# Altium PCB MB1261.PcbDoc (part 6 of 6)
Units mil, origin at the board's own origin, x right, y up, seen from the top; angles counter-clockwise.
Board outline 5119.1 x 2638.79 mil, 6 copper layers (TOP, L2_GND, L3_SIG, L4_VCC, L5_GND, BOTTOM), stack 61 mil thick; 336 components, 316 nets, 1358 pads, 871 vias.
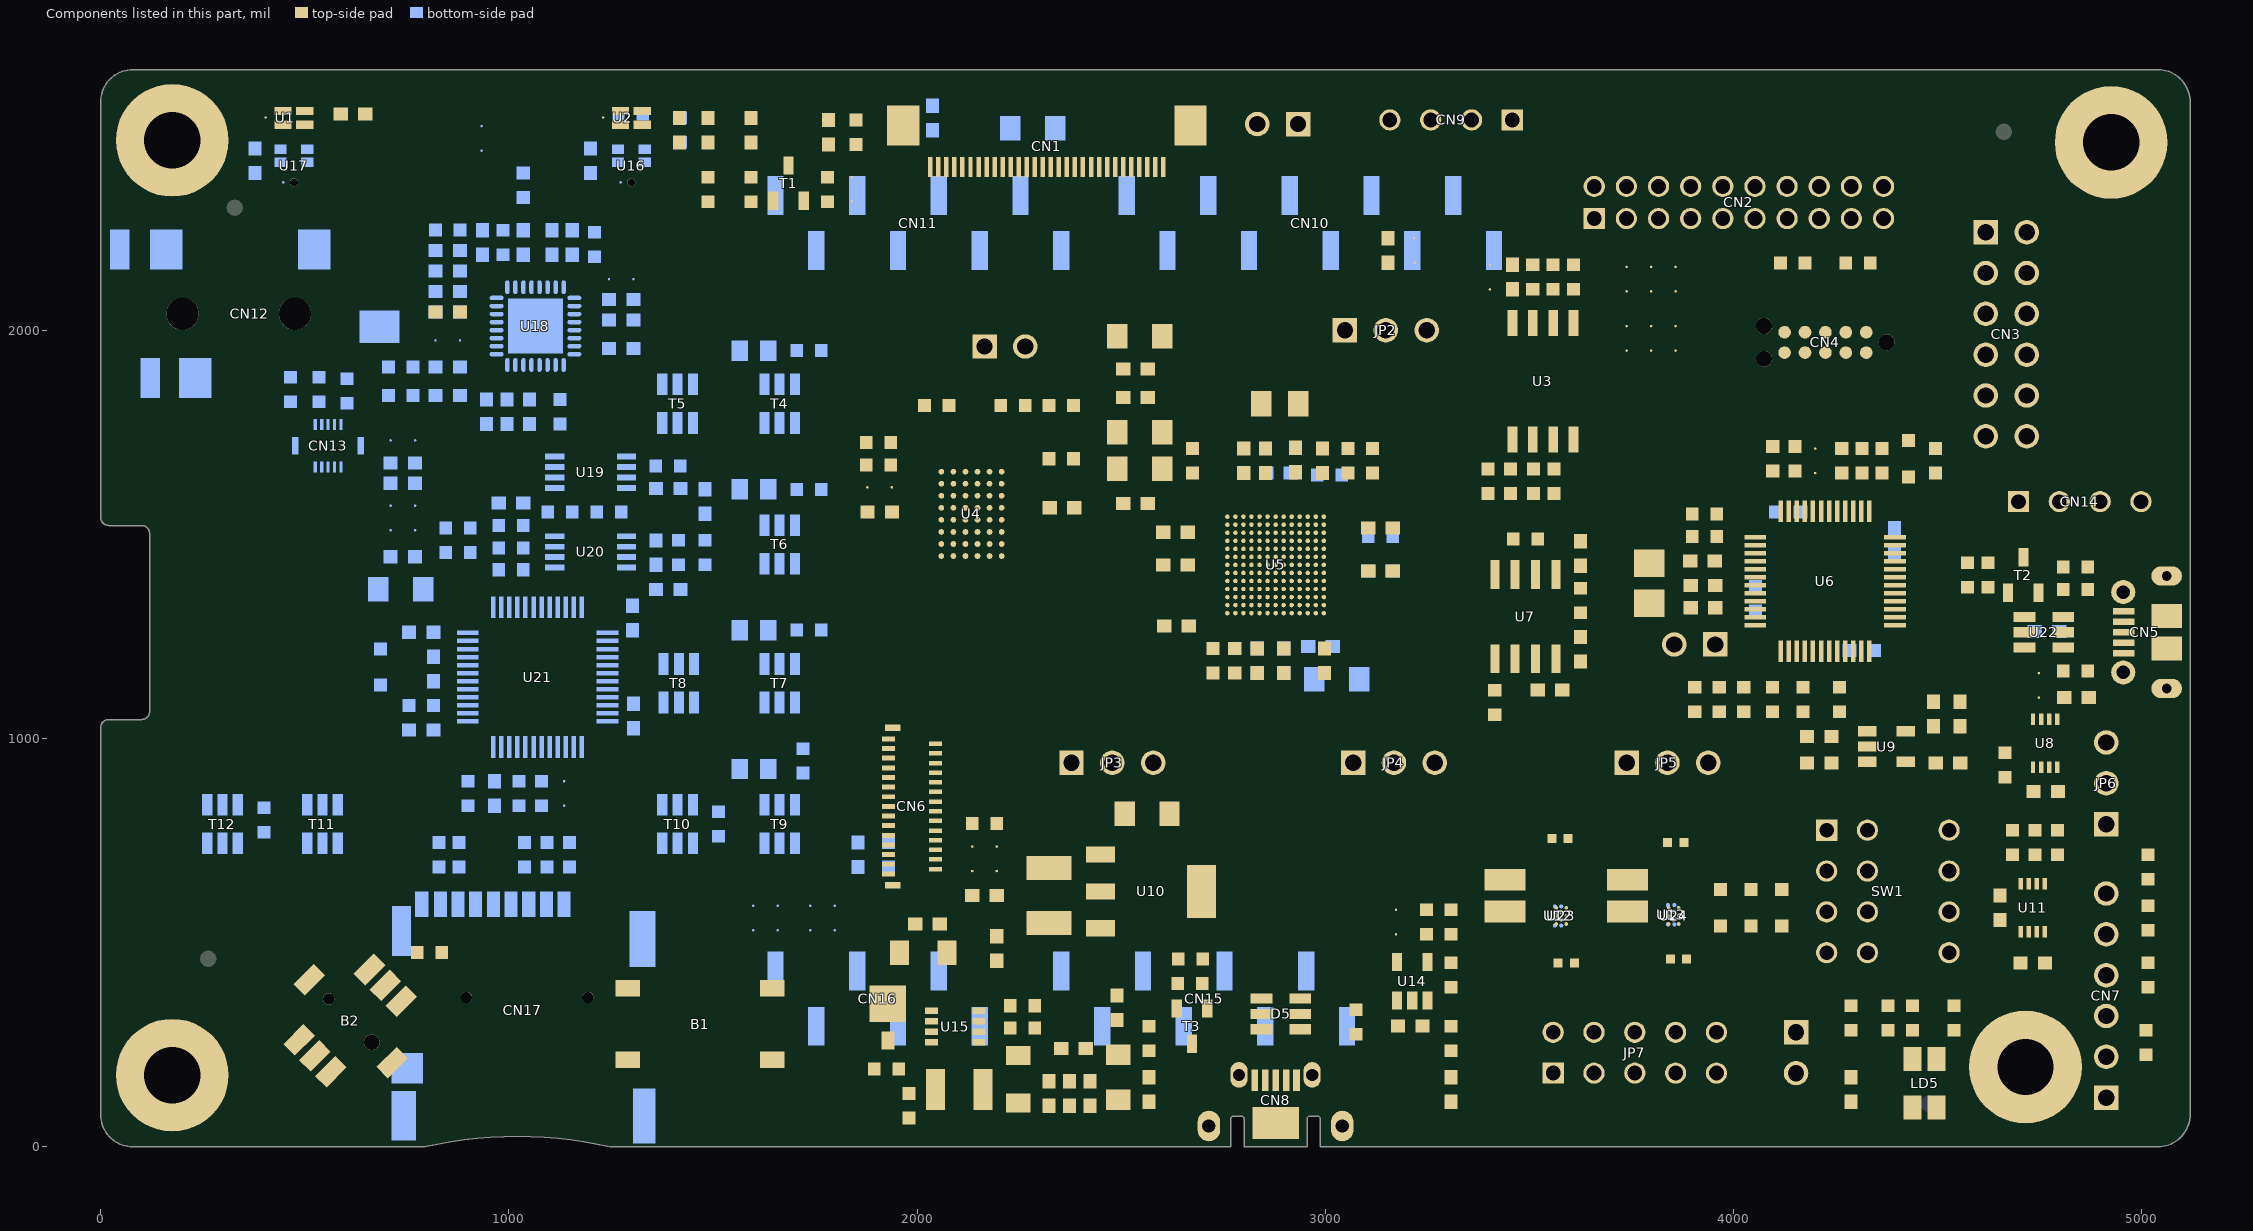
[diagram p10: the components of this part, seen from the top]

## Polygon pours and split planes (outlines as drawn) (continued)
AGND on L5_GND "L5_GND-AGND" (solid, pour order 219): 28 vertices, not listed, extent 20.04,1726 1169,2345
GND on L5_GND "L5_GND-GND" (solid, pour order 220): 686 vertices, not listed, extent 20.04,10.04 5098.06,2617.75
BLGND on L2_GND "L2_GND-BLGND" (solid, pour order 200): 24 vertices, not listed, extent 1835,20.04 2525,579
GND on L2_GND "L2_GND-GND" (solid, remove dead copper, pour order 201): 527 vertices, not listed, extent 20.04,10.04 5098.06,2617.75
no net on Top Solder (solid, pour order 249): 1378,83 1378,3 1948,3 1948,83 1378,83
no net on Top Solder (solid, pour order 250): 1378,164 1378,84 1948,84 1948,164 1378,164
no net on Drill Drawing (solid): 13399,5371 13599,5371 13549,5121 13449,5121 13399,5371
no net on Drill Drawing (solid): 13272,4324.43 13372,4324.43 13372,5079.57 13272,5079.57 13272,4324.43
no net on Drill Drawing (solid): 13041,5370 13241,5370 13171,4810 13121,4810 13041,5370
no net on Drill Drawing (solid): 13593,4026 13393,4026 13443,4276 13543,4276 13593,4026

## Keep-outs
TOP:
  circle w1: c328.1,2300 r60
  circle w1: c328.1,2300 r65
  circle w1: c4662.1,2486 r60
  circle w1: c4662.1,2486 r65
  circle w1: c263.1,460 r65
  circle w1: c263.1,460 r60
  circle w1: c328.1,2300 r60
  circle w1: c328.1,2300 r65
  circle w1: c4662.1,2486 r60
  circle w1: c4662.1,2486 r65
  circle w1: c263.1,460 r65
  circle w1: c263.1,460 r60
BOTTOM:
  circle w1: c4478.1,105 r65
  circle w1: c4478.1,105 r60
  circle w1: c4662.1,2486 r65
  circle w1: c4662.1,2486 r60
  circle w1: c263.1,460 r60
  circle w1: c263.1,460 r65
  circle w1: c4478.1,105 r65
  circle w1: c4478.1,105 r60
  circle w1: c4662.1,2486 r65
  circle w1: c4662.1,2486 r60
  circle w1: c263.1,460 r60
  circle w1: c263.1,460 r65
Drill Drawing:
  lines w1: 0,78.74 ccw(c78.74,78.74) 78.74,0 ; 0,1025.71 cw(c20,1025.71) 20,1045.71 ; 0,1541.93 ccw(c20,1541.93) 20,1521.93 ; 0,2559.05 cw(c78.74,2559.05) 78.74,2637.79 ; 100,1045.71 ccw(c100,1065.71) 120,1065.71 ; 100,1521.93 cw(c100,1501.93) 120,1501.93 ; 793.1,0 cw(c1020.6,-1007.5) 1248.1,0 ; 5039.36,0 ccw(c5039.36,78.74) 5118.1,78.74 ; 5039.36,2637.79 cw(c5039.36,2559.05) 5118.1,2559.05

## Other copper
TOP:
  region net BLGND: 2124.6,254.63 2124.6,333.37 2113.77,333.37 2113.77,368.8 2098.02,368.8 2098.02,333.37 2088.18,333.37 2088.18,368.8 2072.43,368.8 2072.43,333.37 2061.6,333.37 2061.6,254.63 2072.43,254.63 2072.43,219.2 2088.18,219.2 2088.18,254.63 2098.02,254.63 2098.02,219.2 2113.77,219.2 2113.77,254.63 2124.6,254.63
  text "1" at 1474,106 h35
  text "B" at 1498,29 h35
  text "1" at 2685,-1790 h75
  text "1" at 2685,-1790 h75
  text "PRIMARY SIDE" at 2185,-1940 h60
  text "PRIMARY SIDE" at 2185,-1940 h60
BOTTOM:
  text "6" at 1848,107 h35
  text "6" at 1848,107 h35
  text "B" at 1848,26 h35
  text "B" at 1848,26 h35
  text "6" at 2635,-1790 h75
  text "6" at 2635,-1790 h75
  text "SECONDARY SIDE" at 2185,-1940 h60
  text "SECONDARY SIDE" at 2185,-1940 h60
Multi-Layer:
  pour cut-out: 1378,164 1948,164 1948,3 1378,3

## Silkscreen, mask and mechanical layers (free items; w line width, h text height)
Top Overlay:
  drawing of 5630 lines, arcs and shapes, not listed
  text "STMod+" at 3580,2410 h35 r90
  text "PMOD" at 4610,2340 h35
  text "Camera" at 2095,2305 h35
  text "www.st.com/stm32l4-discovery" at 408,2303 h40
  text "STM32L496G-DISCO" at 423,2162 h80
  text "MB1261B" at 1033.3,2084.3 h50
  text "IDD" at 2975,1900 h35
  text "VDD" at 3215,1900 h35
  text "TAG" at 3960,1855 h35 r90
  text "USB" at 4898.9,1493 h35
  text "STLINK" at 4895,1445 h35
  text "LCD" at 1919.59,1128.45 h35
  text "ARD_5V_OUT" at 2380,995 h35 r90
  text "ARD_5V_IN" at 2560,995 h35 r90
  text "VDD_SWD" at 5105,875 h35 r90
  text "+3V3" at 3645,845 h35
  text "+1V8" at 3885,840 h35
  text "+3V3" at 2985,835 h35
  text "VDD_MCU" at 3235,835 h35
  text "VDD_MCU" at 5105,635 h35 r90
  text "U" at 690,470 h50
  text "L" at 342,283 h50
  text "R" at 843,282 h50
  text "OTG FS" at 3049.1,133.9 h35
  text "D" at 480,115 h50
  text "S" at 1402,107 h35
  text "S" at 1402,107 h35
  text "COM" at 4380,80 h35 r90
  text "RESET" at 1133,49 h50
  text "JOYSTICK" at 390,45 h50
  text "B" at 1402,26 h35
  text "B" at 1402,26 h35
  text "SWD" at 5040,25 h35 r90
  text "E5V" at 3680,15 h35 r90
  text "U5V" at 3790,15 h35 r90
  text "ARD" at 3880,15 h35 r90
  text "STLK" at 3590,0 h35 r90
  text "CHGR" at 3980,0 h35 r90
  text "SILKSCREEN, (PRIMARY)" at 2185,-1940 h60
  text "SILKSCREEN, (PRIMARY)" at 2185,-1940 h60
Bottom Overlay:
  drawing of 467 lines, arcs and shapes, not listed
  text "D12" at 2855,2405 h35 r225
  text "GND" at 3045,2395 h35 r225
  text "D14" at 3250,2395 h35 r225
  text "D0" at 1635,2385 h35 r270
  text "D1" at 1735,2385 h35 r270
  text "D2" at 1835,2385 h35 r270
  text "D4" at 2035,2385 h35 r270
  text "D5" at 2130,2385 h35 r270
  text "D6" at 2235,2385 h35 r270
  text "D7" at 2340,2385 h35 r270
  text "D8" at 2495,2385 h35 r270
  text "D9" at 2595,2385 h35 r270
  text "D10" at 2695,2385 h35 r270
  text "D11" at 2800,2385 h35 r270
  text "D13" at 2985,2385 h35 r270
  text "D3" at 1944,2383 h35 r270
  text "D15" at 3390,2370 h35 r270
  text "AVDD" at 3190,2330 h35 r270
  text "Rev.B" at 3781,1925 h40 r270
  text "Audio Jack" at 340,1745 h35
  text "CTP" at 428.1,1615 h35
  text "MB1261" at 3776,1590 h50 r270
  text "GND" at 4830,1460 h35 r225
  text "+3V3" at 4588,1430 h35 r225
  text "SWDIO" at 4895,1415 h35 r225
  text "SWCLK" at 4680,1410 h35 r225
  text "SWO" at 5070,606 h35
  text "NRST" at 5097,499 h35
  text "SWDIO" at 5117,394 h35
  text "GND" at 5069,303 h35
  text "SWCLK" at 5120,198 h35
  text "5V" at 2635,180 h35 r270
  text "A5" at 1635,175 h35 r270
  text "A4" at 1730,175 h35 r270
  text "A3" at 1830,175 h35 r270
  text "A2" at 1935,175 h35 r270
  text "A1" at 2035,175 h35 r270
  text "A0" at 2130,175 h35 r270
  text "GND" at 2435,145 h35 r270
  text "GND" at 2535,145 h35 r270
  text "VIN" at 2330,140 h35 r270
  text "3V3" at 2720,140 h35 r270
  text "NRST" at 2843,120 h35 r270
  text "B" at 1919,106 h35
  text "B" at 1919,106 h35
  text "VDD" at 5070,98 h35
  text "IOREF" at 2900,90 h35 r270
  text "uSD" at 1400,36.9 h35 r270
  text "B" at 1919,25 h35
  text "B" at 1919,25 h35
  text "E5V" at 3645,15 h35 r270
  text "U5V" at 3752,15 h35 r270
  text "ARD" at 3845,15 h35 r270
  text "STLK" at 3555,0 h35 r270
  text "CHGR" at 3945,0 h35 r270
  text "SILKSCREEN, (SECONDARY)" at 3292,-1944 h60
  text "SILKSCREEN, (SECONDARY)" at 3292,-1944 h60
Top Paste:
  pour cut-out: 2124.6,254.63 2124.6,333.37 2113.77,333.37 2113.77,368.8 2098.02,368.8 2098.02,333.37 2088.18,333.37 2088.18,368.8 2072.43,368.8 2072.43,333.37 2061.6,333.37 2061.6,254.63 2072.43,254.63 2072.43,219.2 2088.18,219.2 2088.18,254.63 2098.02,254.63 2098.02,219.2 2113.77,219.2 2113.77,254.63 2124.6,254.63
  text "SOLDER PASTE (PRIMARY)" at 2185,-1940 h60
  text "SOLDER PASTE (PRIMARY)" at 2185,-1940 h60
Bottom Paste:
  text "SOLDER PASTE (SECONDARY)" at 2185,-1940 h60
  text "SOLDER PASTE (SECONDARY)" at 2185,-1940 h60
Top Solder:
  region: 1378,164 1948,164 1948,3 1378,3
  text "SOLDER MASK (PRIMARY)" at 2185,-1940 h60
  text "SOLDER MASK (PRIMARY)" at 2185,-1940 h60
Bottom Solder:
  text "SOLDER MASK (SECONDARY)" at 2185,-1940 h60
  text "SOLDER MASK (SECONDARY)" at 2185,-1940 h60
Mechanical 1:
  lines w1: 533.63,1615 582.03,1615 582.03,1671.2 533.63,1671.2 533.63,1615 ; 2005,1390 2260,1390 2260,1710 2005,1710 2005,1390 ; 2617.1,1305.4 2647.5,1275 2735,1275 2809.4,1275 2814.5,1269.9 2814.5,1223.8 2829.8,1208.5 2965.4,1208.5 2984,1227.1 2984,1269 2990,1275 3030,1275 3030,1320.1 3035.1,1325.2 3126.3,1325.2 3132,1330.9 3132,1512.7 3095.4,1549.3 3030,1549.3 3030,1570 2972,1570 2969.1,1572.9 2969.1,1593.3 2955.5,1606.9 2790.2,1606.9 2778.1,1594.8 2778.1,1570 2735,1570 2730,1565 2730,1525.9 2718.3,1514.2 2659.7,1514.2 2617.1,1471.6 2617.1,1305.4 ; 3525,530 3604.3,530 3604.3,594.3 3570,594.3 3554.3,610 3530,610 3525,605 3525,530 ; 3780,565 3809.7,535.3 3826.2,535.3 3878,535.3 3878,605 3820,605 3805,620 3790,620 3780,610 3780,565 ; 4384,1384 4444,1384 4444,1474 4384,1474 4384,1384 ; 4918.63,1185 4967.03,1185 4967.03,1241.2 4918.63,1241.2 4918.63,1185
LCD_MB1166:
  drawing of 462 lines, arcs and shapes, not listed
  text "10" at 1403.1,520.98 h25 r180
  text "20" at 1498.1,520.98 h25 r180
  text "30" at 1598.1,520.98 h25 r180
  text "40" at 1698.1,520.98 h25 r180
  text "50" at 1798.1,520.98 h25 r180
  text "60" at 1893.1,520.98 h25 r180
  text "2" at 1333.1,510.98 h25 r180
  text "25" at 851.46,279.35 h35 r180
  text "1" at 1070.46,274.35 h35 r180
  text "59" at 1898.1,115.98 h25 r180
  text "6" at 4142.29,-179.02 h35 r180
  text "1" at 4237.29,-179.02 h35 r180
DXF_MB1183:
  drawing of 442 lines, arcs and shapes, not listed
LAY4:
  lines w8: 1668,13 1728,13 ; 1668,13 1668,73 ; 1668,13 1728,13 ; 1668,13 1668,73 ; 1668,73 1678,73 ; 1668,73 1678,73 ; 1668,94 1728,94 ; 1668,94 1668,154 ; 1668,94 1728,94 ; 1668,94 1668,154 ; 1668,154 1678,154 ; 1668,154 1678,154 ; 1678,73 1728,73 ; 1678,73 1728,73 ; 1678,154 1728,154 ; 1678,154 1728,154 ; 1728,13 1728,73 ; 1728,13 1728,73 ; 1728,94 1728,154 ; 1728,94 1728,154
  text "4" at 1710,105 h35
  text "B" at 1684,25 h35
  text "B" at 1684,25 h35
  text "4" at 2685,-1790 h75
  text "4" at 2685,-1790 h75
  text "LAYER 4 (INTERNAL SIGNAL)" at 2185,-1940 h60
  text "LAYER 4 (INTERNAL SIGNAL)" at 2185,-1940 h60
DRAWING_ORIGIN:
  lines w1: -25,0 25,0 ; 0,-25 0,25
DIMENSION:
  drawing of 453 lines, arcs and shapes, not listed
  text "4.9mm" at 4387.92,3017.58 h85
  text "4.9mm" at 4387.92,3017.58 h85
  text "4.39mm" at -637.33,2977.85 h85
  text "4.39mm" at -637.33,2977.85 h85
  text "4.52mm" at 5199.05,2847.1 h85
  text "4.52mm" at 5199.05,2847.1 h85
  text "43.31mm" at 3931.75,2788.14 h85
  text "43.31mm" at 3931.75,2788.14 h85
  text "4.45mm" at 486.27,2750.89 h85
  text "4.45mm" at 486.27,2750.89 h85
  text "4.06mm" at 2807.92,2749.64 h85
  text "4.06mm" at 2807.92,2749.64 h85
  text "4XR2mm" at 5495.91,2671.07 h85
  text "4XR2mm" at 5495.91,2671.07 h85
  text "12.1mm" at -467.82,1246.88 h85
  text "12.1mm" at -467.82,1246.88 h85
  text "48.26mm" at 5226.57,1246.87 h85
  text "48.26mm" at 5226.57,1246.87 h85
  text "57.53mm" at 5848.2,1240.11 h85
  text "57.53mm" at 5848.2,1240.11 h85
  text "67mm" at -939.38,1205.63 h85 r90
  text "67mm" at -939.38,1205.63 h85 r90
  text "58.1mm" at -623.18,1143.76 h85 r90
  text "58.1mm" at -623.18,1143.76 h85 r90
  text "4.45mm" at -476.1,382.1 h85
  text "4.45mm" at -476.1,382.1 h85
  text "4.95mm" at 5655.47,38.21 h85
  text "4.95mm" at 5655.47,38.21 h85
  text "5.08mm" at 1377.14,-116.93 h85
  text "5.08mm" at 1377.14,-116.93 h85
  text "52.45mm" at 3802.28,-144.43 h85
  text "52.45mm" at 3802.28,-144.43 h85
  text "4.45mm" at -624.57,-248.21 h85
  text "4.45mm" at -624.57,-248.21 h85
  text "115.82mm" at 2341.72,-272.16 h85
  text "115.82mm" at 2341.72,-272.16 h85
  text "9.73mm" at 5373.28,-272.16 h85
  text "9.73mm" at 5373.28,-272.16 h85
  text "130mm" at 2472.23,-414.6 h85
  text "130mm" at 2472.23,-414.6 h85
  text "FAB DARWING & DRILL LEGEND" at 2185,-1940 h60
  text "FAB DARWING & DRILL LEGEND" at 2185,-1940 h60
LAY5:
  lines w8: 1738,13 1798,13 ; 1738,13 1738,73 ; 1738,13 1798,13 ; 1738,13 1738,73 ; 1738,73 1748,73 ; 1738,73 1748,73 ; 1738,94 1798,94 ; 1738,94 1738,154 ; 1738,94 1798,94 ; 1738,94 1738,154 ; 1738,154 1748,154 ; 1738,154 1748,154 ; 1748,73 1798,73 ; 1748,73 1798,73 ; 1748,154 1798,154 ; 1748,154 1798,154 ; 1798,13 1798,73 ; 1798,13 1798,73 ; 1798,94 1798,154 ; 1798,94 1798,154
  text "5" at 1778,107 h35
  text "5" at 1778,107 h35
  text "B" at 1778,26 h35
  text "B" at 1778,26 h35
  text "5" at 2685,-1790 h75
  text "5" at 2685,-1790 h75
  text "LAYER 5 (GND PLANE)" at 2185,-1940 h60
  text "LAYER 5 (GND PLANE)" at 2185,-1940 h60
LAY3:
  lines w8: 1598,13 1658,13 ; 1598,13 1598,73 ; 1598,13 1658,13 ; 1598,13 1598,73 ; 1598,73 1608,73 ; 1598,73 1608,73 ; 1598,94 1658,94 ; 1598,94 1598,154 ; 1598,94 1658,94 ; 1598,94 1598,154 ; 1598,154 1608,154 ; 1598,154 1608,154 ; 1608,73 1658,73 ; 1608,73 1658,73 ; 1608,154 1658,154 ; 1608,154 1658,154 ; 1658,13 1658,73 ; 1658,13 1658,73 ; 1658,94 1658,154 ; 1658,94 1658,154
  text "3" at 1612,105 h35
  text "3" at 1612,105 h35
  text "B" at 1612,24 h35
  text "B" at 1612,24 h35
  text "3" at 2685,-1790 h75
  text "3" at 2685,-1790 h75
  text "LAYER 3 (VTT PLANE)" at 2185,-1940 h60
  text "LAYER 3 (VTT PLANE)" at 2185,-1940 h60
Drill Drawing:
  drawing of 25598 lines, arcs and shapes, not listed
  text "6" at -1460,10960 h130
  text "5" at 2040,10960 h130
  text "4" at 5540,10960 h130
  text "3" at 9040,10960 h130
  text "2" at 12540,10960 h130
  text "1" at 16040,10960 h130
  text "REVISIONS" at 15140,10710 h85
  text "REV" at 13690,10460 h75
  text "DESCRIPTION" at 14240,10460 h75
  text "DATE" at 16390,10460 h75
  text "APPROVED" at 17090,10460 h75
  text "1.0" at 13690,10260 h75
  text "EDITION ORIGINALE" at 14240,10260 h75
  text "2008-**-**" at 16240,10260 h75
  text "***" at 17250,10260 h75
  text "D" at -3460,8660 h130
  text "D" at 17840,8660 h130
  text "5" at 11880,7908 h100
  text "IMPEDANCE TABLE" at 12110.81,7881.53 h100
  text "LAYER" at 12035.81,7587.53 h75
  text "TOLERANCE" at 15785.81,7587.53 h75
  text "TRACE" at 12785.81,7577.53 h75
  text "SPACEING" at 13335.81,7577.53 h75
  text "IMPEDANCE" at 14085.81,7577.53 h75
  text "IMPEDANCE" at 14985.81,7577.53 h75
  text "(mil)" at 12835.81,7487.53 h50
  text "(Single end)" at 14135.81,7487.53 h50
  text "(mil)" at 13435.81,7477.53 h50
  text "(Differential)" at 14985.81,7477.53 h50
  text "1,6" at 12030.81,7341.53 h75
  text "5.0" at 12830.81,7331.53 h75
  text "N/A" at 13485.81,7277.53 h75
  text "55 OHM" at 14135.81,7267.53 h75
  text "N/A" at 15135.81,7267.53 h75
  text "+/-10%" at 15885.81,7267.53 h75
  text "4.0" at 12820.81,7211.53 h75
  text "4" at 12030.81,7201.53 h75
  text "N/A" at 14240.81,7031.53 h75
  text "1,6" at 11998.81,7029.53 h75
  text "10.2" at 13434.81,7029.53 h75
  text "90 OHM" at 15052.81,7029.53 h75
  text "+/-10%" at 15885.81,7017.53 h75
  text "4.8" at 12828.81,7015.53 h75
  text "100 OHM" at 15027.81,6773.53 h75
  text "+/-10%" at 15891.81,6773.53 h75
  text "N/A" at 14245.81,6752.53 h75
  text "Symbol" at 110.54,6751.43 h118.11
  text "Hit Count" at 573.2,6751.43 h118.11
  text "Finished Hole Size" at 1126.69,6751.43 h118.11
  text "Plated" at 2117.6,6751.43 h118.11
  text "Tolerance" at 2523.76,6751.43 h118.11
  text "Hole Type" at 3109.38,6751.43 h118.11
  text "Hole Length" at 3700.69,6751.43 h118.11
  text "Rotation" at 4377.36,6751.43 h118.11
  text "Drill Layer Pair" at 4877.84,6751.43 h118.11
  text "2" at 767.89,6547.59 h98.43
  text "24,00mil" at 1398.79,6547.59 h98.43
  text "PTH" at 2178.4,6547.59 h98.43
  text "+5.0/-5.0" at 2584.74,6547.59 h98.43
  text "Slot" at 3270.37,6547.59 h98.43
  text "51,00mil" at 3816.22,6547.59 h98.43
  text "0" at 4545.86,6547.59 h98.43
  text "TOP - BOTTOM" at 4877.84,6547.59 h98.43
  text "2" at 767.89,6343.75 h98.43
  text "30,00mil" at 1399.39,6343.75 h98.43
  text "PTH" at 2178.4,6343.75 h98.43
  text "+5.0/-5.0" at 2584.74,6343.75 h98.43
  text "Slot" at 3270.37,6343.75 h98.43
  text "33,00mil" at 3816.26,6343.75 h98.43
  text "90" at 4521.35,6343.75 h98.43
  text "TOP - BOTTOM" at 4877.84,6343.75 h98.43
  text "2" at 767.89,6139.92 h98.43
  text "33,00mil" at 1399.39,6139.92 h98.43
  text "PTH" at 2178.4,6139.92 h98.43
  text "+5.0/-5.0" at 2584.74,6139.92 h98.43
  text "Slot" at 3270.37,6139.92 h98.43
  text "59,00mil" at 3816.22,6139.92 h98.43
  text "90" at 4521.35,6139.92 h98.43
  text "TOP - BOTTOM" at 4877.84,6139.92 h98.43
  text "Symbol" at 6723.7,5971.75 h118.11
  text "Hit Count" at 7186.36,5971.75 h118.11
  text "Finished Hole Size" at 7739.85,5971.75 h118.11
  text "Plated" at 8730.76,5971.75 h118.11
  text "Tolerance" at 9136.92,5971.75 h118.11
  text "Hole Type" at 9722.54,5971.75 h118.11
  text "Rotation" at 10313.85,5971.75 h118.11
  text "Drill Layer Pair" at 10814.33,5971.75 h118.11
  text "43" at 742.29,5936.08 h98.43
  text "8,00mil" at 1423.8,5936.08 h98.43
  text "PTH" at 2178.4,5936.08 h98.43
  text "+3.0/-3.0" at 2584.74,5936.08 h98.43
  text "Round" at 3220.76,5936.08 h98.43
  text "-" at 3965.89,5936.08 h98.43
  text "TOP - BOTTOM" at 4877.84,5936.08 h98.43
  text "63" at 7356.59,5767.92 h98.43
  text "4,00mil" at 8035.68,5767.92 h98.43
  text "PTH" at 8791.56,5767.92 h98.43
  text "+3.0/-3.0" at 9197.9,5767.92 h98.43
  text "Round" at 9833.92,5767.92 h98.43
  text "TOP - L3_SIG" at 10882.23,5767.92 h98.43
  text "317" at 719.15,5732.25 h98.43
  text "10,00mil" at 1402.3,5732.25 h98.43
  text "PTH" at 2178.4,5732.25 h98.43
  text "+3.0/-3.0" at 2584.74,5732.25 h98.43
  text "Round" at 3220.76,5732.25 h98.43
  text "-" at 3965.89,5732.25 h98.43
  text "TOP - BOTTOM" at 4877.84,5732.25 h98.43
  text "4" at 12782.38,5634.07 h75
  text "LAYER STACK-UP" at 12982.38,5634.07 h75
  text "63 Total" at 7247.45,5564.08 h98.43
  text "289" at 718.51,5528.41 h98.43
  text "12,00mil" at 1402.3,5528.41 h98.43
  text "PTH" at 2178.4,5528.41 h98.43
  text "+3.0/-3.0" at 2584.74,5528.41 h98.43
  text "Round" at 3220.76,5528.41 h98.43
  text "-" at 3965.89,5528.41 h98.43
  text "TOP - BOTTOM" at 4877.84,5528.41 h98.43
  text "SOLDERMASK & SILKSCREEN" at 14732.38,5504.07 h60
  text "Symbol" at 6735.55,5400.75 h118.11
  text "Hit Count" at 7198.21,5400.75 h118.11
  text "Finished Hole Size" at 7751.7,5400.75 h118.11
  text "Plated" at 8742.61,5400.75 h118.11
  text "Tolerance" at 9148.76,5400.75 h118.11
  text "Hole Type" at 9734.38,5400.75 h118.11
  text "Rotation" at 10325.69,5400.75 h118.11
  text "Drill Layer Pair" at 10826.17,5400.75 h118.11
  text "TOP     (1/3 oz cu+plating)" at 14722.38,5384.07 h60
  text "2" at 767.89,5324.57 h98.43
  text "20,00mil" at 1398.79,5324.57 h98.43
  text "PTH" at 2178.4,5324.57 h98.43
  text "+3.0/-3.0" at 2584.74,5324.57 h98.43
  text "Round" at 3220.76,5324.57 h98.43
  text "-" at 3965.89,5324.57 h98.43
  text "TOP - BOTTOM" at 4877.84,5324.57 h98.43
  text "PREPREG  2.8 mil" at 13622.38,5209.07 h60
  text "52" at 7368.94,5196.92 h98.43
  text "8,00mil" at 8048.8,5196.92 h98.43
  text "PTH" at 8803.41,5196.92 h98.43
  text "+3.0/-3.0" at 9209.75,5196.92 h98.43
  text "Round" at 9845.77,5196.92 h98.43
  text "L2_GND - L5_GND" at 10826.17,5196.92 h98.43
  text "2" at 767.89,5120.74 h98.43
  text "33,00mil" at 1399.39,5120.74 h98.43
  text "PTH" at 2178.4,5120.74 h98.43
  text "+3.0/-3.0" at 2584.74,5120.74 h98.43
  text "Round" at 3220.76,5120.74 h98.43
  text "-" at 3965.89,5120.74 h98.43
  text "TOP - BOTTOM" at 4877.84,5120.74 h98.43
  text "LAYER 2 ( 1/3 oz cu+plating)" at 14722.38,5084.07 h60
  text "52 Total" at 7259.48,4993.08 h98.43
  text "50" at 743.7,4916.9 h98.43
  text "36,00mil" at 1399.39,4916.9 h98.43
  text "PTH" at 2178.4,4916.9 h98.43
  text "+3.0/-3.0" at 2584.74,4916.9 h98.43
  text "Round" at 3220.76,4916.9 h98.43
  text "-" at 3965.89,4916.9 h98.43
  text "TOP - BOTTOM" at 4877.84,4916.9 h98.43
  text "PREPREG  4.0 mil" at 13622.38,4909.07 h60
  text "PREPREG  4.0 mil" at 13622.38,4909.07 h60
  text "Symbol" at 6746.48,4816.75 h118.11
  text "Hit Count" at 7209.14,4816.75 h118.11
  text "Finished Hole Size" at 7762.63,4816.75 h118.11
  text "Plated" at 8753.54,4816.75 h118.11
  text "Tolerance" at 9159.69,4816.75 h118.11
  text "Hole Type" at 9745.32,4816.75 h118.11
  text "Rotation" at 10336.63,4816.75 h118.11
  text "Drill Layer Pair" at 10837.1,4816.75 h118.11
  text "LAYER 3 (0.5 oz)" at 14722.38,4784.07 h60
  text "C" at -3460,4760 h130
  text "C" at 17840,4760 h130
  text "1.2 mm" at 12550.38,4751.57 h75
  text "41" at 748.39,4713.07 h98.43
  text "40,00mil" at 1398.02,4713.07 h98.43
  text "PTH" at 2178.4,4713.07 h98.43
  text "+3.0/-3.0" at 2584.74,4713.07 h98.43
  text "Round" at 3220.76,4713.07 h98.43
  text "-" at 3965.89,4713.07 h98.43
  text "TOP - BOTTOM" at 4877.84,4713.07 h98.43
  text "CORE     **.*mil" at 13622.38,4674.07 h60
  text "+/-10%" at 12592.38,4644.07 h50
  text "31" at 7385.7,4612.92 h98.43
  text "4,00mil" at 8058.46,4612.92 h98.43
  text "PTH" at 8814.34,4612.92 h98.43
  text "+3.0/-3.0" at 9220.68,4612.92 h98.43
  text "Round" at 9856.7,4612.92 h98.43
  text "L5_GND - BOTTOM" at 10837.1,4612.92 h98.43
  text "LAYER 4 (0.5 oz)" at 14722.38,4584.07 h60
  text "4" at 766.93,4509.23 h98.43
  text "138,00mil" at 1377.79,4509.23 h98.43
  text "PTH" at 2178.4,4509.23 h98.43
  text "+3.0/-3.0" at 2584.74,4509.23 h98.43
  text "Round" at 3220.76,4509.23 h98.43
  text "-" at 3965.89,4509.23 h98.43
  text "TOP - BOTTOM" at 4877.84,4509.23 h98.43
  text "31 Total" at 7270.46,4409.08 h98.43
  text "PREPREG  4.0 mil" at 13622.38,4409.07 h60
  text "3" at 768.16,4305.39 h98.43
  text "28,00mil" at 1398.79,4305.39 h98.43
  text "NPTH" at 2146.56,4305.39 h98.43
  text "+2.0/-2.0" at 2584.74,4305.39 h98.43
  text "Round" at 3220.76,4305.39 h98.43
  text "-" at 3965.89,4305.39 h98.43
  text "TOP - BOTTOM" at 4877.84,4305.39 h98.43
  text "LAYER 5 ( 1/3 oz cu+plating)" at 14722.38,4284.07 h60
  text "Symbol" at 6736.7,4228.68 h118.11
  text "Hit Count" at 7199.36,4228.68 h118.11
  text "Finished Hole Size" at 7752.85,4228.68 h118.11
  text "Plated" at 8743.76,4228.68 h118.11
  text "Tolerance" at 9149.92,4228.68 h118.11
  text "Hole Type" at 9735.54,4228.68 h118.11
  text "Rotation" at 10326.85,4228.68 h118.11
  text "Drill Layer Pair" at 10827.33,4228.68 h118.11
  text "PREPREG  2.8 mil" at 13622.38,4109.07 h60
  text "4" at 766.93,4101.56 h98.43
  text "39,00mil" at 1399.39,4101.56 h98.43
  text "NPTH" at 2146.56,4101.56 h98.43
  text "+2.0/-2.0" at 2584.74,4101.56 h98.43
  text "Round" at 3220.76,4101.56 h98.43
  text "-" at 3965.89,4101.56 h98.43
  text "TOP - BOTTOM" at 4877.84,4101.56 h98.43
  text "76" at 7370.04,4024.85 h98.43
  text "4,00mil" at 8048.68,4024.85 h98.43
  text "PTH" at 8804.56,4024.85 h98.43
  text "+3.0/-3.0" at 9210.9,4024.85 h98.43
  text "Round" at 9846.92,4024.85 h98.43
  text "TOP - L2_GND" at 10872.87,4024.85 h98.43
  text "BOTTOM  (1/3 oz cu+plating)" at 14722.38,3984.07 h60
  text "2" at 767.89,3897.72 h98.43
  text "79,00mil" at 1399.61,3897.72 h98.43
  text "NPTH" at 2146.56,3897.72 h98.43
  text "+2.0/-2.0" at 2584.74,3897.72 h98.43
  text "Round" at 3220.76,3897.72 h98.43
  text "-" at 3965.89,3897.72 h98.43
  text "TOP - BOTTOM" at 4877.84,3897.72 h98.43
  text "SOLDERMASK & SILKSCREEN" at 14722.38,3854.07 h60
  text "76 Total" at 7260.91,3821.01 h98.43
  text "763 Total" at 610.24,3693.89 h98.43
  text "6 LAYER STACKING" at 13362.38,3674.07 h75
  text "Slot definitions :" at 110.54,3551.2 h98.43
  text "Routed Path Length" at 782.24,3551.2 h98.43
  text "= Calculated from tool start centre position to tool end centre position." at 1614.37,3551.2 h98.43
  text "HDI 1+4+1" at 13582.38,3494.07 h75
  text "Hole Length" at 782.24,3469.67 h98.43
  text "= Routed Path Length + Tool Size = Slot length as defined in the PCB layout" at 1305.45,3469.67 h98.43
  text "PCB SPECIFICATIONS:" at 11656,2676 h85
  text "A. MATERIAL;" at 11656,2476 h85
  text "FR-4," at 13406,2476 h85
  text "TG-170" at 14356,2476 h85
  text "TG-150" at 15106,2476 h85
  text "TG-140" at 15956,2476 h85
  text "B. MATERIAL FAMILY;" at 11656,2276 h85
  text "N/A." at 13406,2276 h85
  text "C. SOLDERMASK COLOR;" at 11656,2076 h85
  text "GREEN" at 13556,2076 h85
  text "BLUE" at 14306,2076 h85
  text "RED" at 15156,2076 h85
  text "BLACK" at 16006,2076 h85
  text "D. SILKSCREEN COLOR;" at 11656,1876 h85
  text "WHITE" at 13556,1876 h85
  text "YELLOW" at 14306,1876 h85
  text "BLACK" at 15156,1876 h85
  text "E. SURFACE FINISH;" at 11656,1676 h85
  text "ENIG" at 13556,1676 h85
  text "IMMERSION SILVER" at 14306,1676 h85
  text "IMMERSION TIN" at 16006,1676 h85
  text "HASL" at 13556,1476 h85
  text "HASL(PB-FREE)" at 14306,1476 h85
  text "GOLDEN FINGER" at 16006,1476 h85
  text "NO" at 13556,1276 h85
  text "YES" at 14306,1276 h85
  text "(SEE IMPEDANCE TABLE FOR DETAIL INFORMATION)" at 14506,1276 h85
  text "F. IMPEDANCE CONTROL;" at 11745,1269 h85
  text "G. THROUGH VIA;" at 11656,1076 h85
  text "PLUG THE VIAS WHICH ARE COVERED WITH SOLDERMASK ONE OR TWO SIDE." at 13106,1076 h85
  text "B" at 17840,1060 h130
  text "B" at -3460,1047 h130
  text "PLUG MATERIAL:" at 13106,876 h85
  text "SOLDERMASK" at 14706,876 h85
  text "NON-CONDUCTIVE EPOXY." at 16006,876 h85
  text "SEE LAYER STACK-UP SEQUENCE FOR OVERALL THICKNESS." at 13106,676 h85
  text "H. STACK-UP;" at 11749,656 h85
  text "PCB REQUIREMENTS:" at 11646,376 h85
  text "1. THIS BOARD WILL CONFORM TO:" at 11596,176 h85
  text "IPC-A-600. CURRENT REV., CLASS II" at 11596,26 h85
  text "IPC-6012, CURRENT REV., CLASS II" at 11596,-124 h85
  text "2. UNLESS OTHERWISE SPECIFIED ALL HOLE DIMENSIONS APPLY AFTER PLATING." at 11596,-334 h85
  text "ALL HOLES SHALL BE LOCATED WITHIN .003\" DIAMETER OF TRUE POSITION." at 11596,-484 h85
  text "3. PLATED HOLE WALL THICKNESS SHALL NOT BE LESS THAN .001 INCH MINIMUM" at 11596,-684 h85
  text "AVERAGE, WITH NO READING LESS THAN .0008 BY COROSS SECTION." at 11776,-824 h85
  text "4. MATERIAL FR4 RATING 94V-0 MINIMUM EPOXY GLASS LAMINATE." at 11596,-1034 h85
  text "5. BOARD SHALL BE LPI SOLDER MASKED OVER BARE COPPER BOTH SIDES PER" at 11596,-1214 h85
  text "IPC-SM-840 CLASS II." at 11596,-1364 h85
  text "6. SILKSCREEN SHALL BE PERMANENT NON-CONDUCTIVE INK AND WITH NO OVERLAP" at 11596,-1564 h85
  text "ON ANY COMPONENT PAD OR THROUGH HOLE." at 11596,-1714 h85
  text "COMPANY NAME:" at 3735,-1740 h60
  text "LAYER:" at 2135,-1790 h75
  text "ST" at 3885,-1890 h75
  text "7. MFGR, TO LEGIBLY ETCH OR STAMP/SCREEN WITH PERMANENT NON-CONDUCTIVE INK" at 11596,-1914 h85
  text "PROJECT NAME:" at 3735,-2040 h60
  text "D. MFGR. LOGO" at 13446,-2044 h85
  text "DESIGNED BY SOFER" at 865,-2060 h60
  text "A. U.L. CODE" at 11886,-2064 h85
  text "www.sofer.com.cn" at 885,-2160 h60
  text "E. SUCCESSFUL ELECTRICAL BOARD TEST." at 13446,-2184 h85
  text "MB1261" at 3892,-2187 h75
  text "DESIGNER:" at 2185,-2190 h60
  text "Shelley" at 2685,-2190 h60
  text "B. DATE CODE" at 11886,-2204 h85
  text "Tel : +86 21 - 6482 6908" at 685,-2340 h60
  text "PROJECT NUMBER:" at 3735,-2340 h60
  text "REV" at 4935,-2340 h60
  text "C. FLAMMABILITY RATING" at 11886,-2344 h85
  text "Mail: design@sofer.com.cn" at 685,-2440 h60
  text "DATE:" at 2185,-2440 h60
  text "2016.09.30" at 2485,-2440 h60
  text "D031-023A2" at 3885,-2490 h75
  text "B" at 5035,-2490 h75
  text "8. REMOVE THE FLASHS WHICH SMALLER THAN HOLE SIZE." at 11596,-2554 h85
  text "9. REMOVE ALL SHAPE EDGES AND BURRS .005 MAXIMUM." at 11596,-2754 h85
  text "10. PLEASE USE THE SUPPLIED IPC 356 NETLIST TO VERIFY BOARD BEFORE" at 11596,-2964 h85
  text "FABRICATING BOARD." at 11596,-3114 h85
  text "A" at -3460,-3140 h130
  text "A" at 17840,-3140 h130
  text "UNLESS OTHERWISE SPECIFIED" at 10590,-3440 h75
  text "SIGNATURES" at 12490,-3490 h75
  text "DATE" at 13890,-3490 h75
  text "DATE" at 13890,-3490 h75
  text "LOGO" at 14590,-3640 h130
  text "COMPANY NAME" at 16090,-3640 h130
  text "YY-MM-DD" at 13789,-3688 h75
  text "DRAWN" at 12490,-3690 h75
  text "DIMENSIONS ARE IN INCHES" at 10640,-3740 h75
  text "TOLERANCES ON;" at 10640,-3890 h75
  text "CHECKED" at 12490,-3890 h75
  text "YY-MM-DD" at 13790,-3890 h75
  text "2 PL DECIMALS +" at 10640,-4040 h75
  text "TITLE" at 14490,-4040 h100
  text "ENGRG" at 12490,-4090 h75
  text "YY-MM-DD" at 13790,-4090 h75
  text "PROJECT NAME *" at 15240,-4140 h130
  text "3 PL DECIMALS +" at 10640,-4190 h75
  text "ISSUED" at 12490,-4290 h75
  text "ANGLES +" at 10640,-4340 h75
  text "SIZE" at 14515,-4415 h75
  text "B" at 14915,-4415 h75
  text "DWG NO" at 15265,-4415 h75
  text "*********" at 15865,-4415 h75
  text "REV" at 17165,-4415 h75
  text "**" at 17465,-4415 h75
  text "FRACTIONS +" at 10640,-4490 h75
  text "SCALE" at 14515,-4665 h75
  text "1:1" at 14915,-4665 h75
  text "SHEET" at 16515,-4665 h75
  text "1 OF 1" at 17115,-4665 h75
  text "2" at 12535,-4939 h130
  text "6" at -1460,-4940 h130
  text "5" at 2040,-4940 h130
  text "1" at 16040,-4940 h130
  text "3" at 9026,-4943 h130
  text "4" at 5532,-4946 h130
LAY2:
  lines w8: 1528,13 1588,13 ; 1528,13 1528,73 ; 1528,13 1588,13 ; 1528,13 1528,73 ; 1528,73 1538,73 ; 1528,73 1538,73 ; 1528,94 1588,94 ; 1528,94 1528,154 ; 1528,94 1588,94 ; 1528,94 1528,154 ; 1528,154 1538,154 ; 1528,154 1538,154 ; 1538,73 1588,73 ; 1538,73 1588,73 ; 1538,154 1588,154 ; 1538,154 1588,154 ; 1588,13 1588,73 ; 1588,13 1588,73 ; 1588,94 1588,154 ; 1588,94 1588,154
  text "2" at 1546,106 h35
  text "2" at 1546,106 h35
  text "B" at 1546,25 h35
  text "B" at 1546,25 h35
  text "2" at 2685,-1790 h75
  text "2" at 2685,-1790 h75
  text "LAYER 2 (GND PLANE)" at 2185,-1940 h60
  text "LAYER 2 (GND PLANE)" at 2185,-1940 h60
REVISION_BLOCK:
  lines w1: 13590,9610 13590,10860 13590,9610 ; 13590,9810 17740,9810 13590,9810 ; 13590,10010 17740,10010 13590,10010 ; 13590,10210 17740,10210 13590,10210 ; 13590,10410 17740,10410 13590,10410 ; 13590,10610 17740,10610 13590,10610 ; 13990,9610 13990,10610 13990,9610 ; 16190,9610 16190,10610 16190,9610 ; 16940,9610 16940,10610 16940,9610
REVISION_DATA:
  text "REVISIONS" at 15140,10710 h85
  text "REVISIONS" at 15140,10710 h85
  text "REV" at 13690,10460 h75
  text "REV" at 13690,10460 h75
  text "DESCRIPTION" at 14240,10460 h75
  text "DESCRIPTION" at 14240,10460 h75
  text "DATE" at 16390,10460 h75
  text "DATE" at 16390,10460 h75
  text "APPROVED" at 17090,10460 h75
  text "APPROVED" at 17090,10460 h75
  text "1.0" at 13690,10260 h75
  text "1.0" at 13690,10260 h75
  text "EDITION ORIGINALE" at 14240,10260 h75
  text "EDITION ORIGINALE" at 14240,10260 h75
  text "2008-**-**" at 16240,10260 h75
  text "2008-**-**" at 16240,10260 h75
  text "***" at 17250,10260 h75
  text "***" at 17250,10260 h75
TITLE_DATA:
  text "UNLESS OTHERWISE SPECIFIED" at 10590,-3440 h75
  text "UNLESS OTHERWISE SPECIFIED" at 10590,-3440 h75
  text "SIGNATURES" at 12490,-3490 h75
  text "SIGNATURES" at 12490,-3490 h75
  text "DATE" at 13890,-3490 h75
  text "DATE" at 13890,-3490 h75
  text "LOGO" at 14590,-3640 h130
  text "LOGO" at 14590,-3640 h130
  text "COMPANY NAME" at 16090,-3640 h130
  text "COMPANY NAME" at 16090,-3640 h130
  text "DRAWN" at 12490,-3690 h75
  text "DRAWN" at 12490,-3690 h75
  text "YY-MM-DD" at 13790,-3690 h75
  text "YY-MM-DD" at 13790,-3690 h75
  text "DIMENSIONS ARE IN INCHES" at 10640,-3740 h75
  text "DIMENSIONS ARE IN INCHES" at 10640,-3740 h75
  text "TOLERANCES ON;" at 10640,-3890 h75
  text "TOLERANCES ON;" at 10640,-3890 h75
  text "CHECKED" at 12490,-3890 h75
  text "CHECKED" at 12490,-3890 h75
  text "YY-MM-DD" at 13790,-3890 h75
  text "YY-MM-DD" at 13790,-3890 h75
  text "2 PL DECIMALS +" at 10640,-4040 h75
  text "2 PL DECIMALS +" at 10640,-4040 h75
  text "TITLE" at 14490,-4040 h100
  text "TITLE" at 14490,-4040 h100
  text "ENGRG" at 12490,-4090 h75
  text "ENGRG" at 12490,-4090 h75
  text "YY-MM-DD" at 13790,-4090 h75
  text "YY-MM-DD" at 13790,-4090 h75
  text "PROJECT NAME *" at 15240,-4140 h130
  text "PROJECT NAME *" at 15240,-4140 h130
  text "3 PL DECIMALS +" at 10640,-4190 h75
  text "3 PL DECIMALS +" at 10640,-4190 h75
  text "ISSUED" at 12490,-4290 h75
  text "ISSUED" at 12490,-4290 h75
  text "ANGLES +" at 10640,-4340 h75
  text "ANGLES +" at 10640,-4340 h75
  text "SIZE" at 14515,-4415 h75
  text "SIZE" at 14515,-4415 h75
  text "B" at 14915,-4415 h75
  text "B" at 14915,-4415 h75
  text "DWG NO" at 15265,-4415 h75
  text "DWG NO" at 15265,-4415 h75
  text "*********" at 15865,-4415 h75
  text "*********" at 15865,-4415 h75
  text "REV" at 17165,-4415 h75
  text "REV" at 17165,-4415 h75
  text "**" at 17465,-4415 h75
  text "**" at 17465,-4415 h75
  text "FRACTIONS +" at 10640,-4490 h75
  text "FRACTIONS +" at 10640,-4490 h75
  text "SCALE" at 14515,-4665 h75
  text "SCALE" at 14515,-4665 h75
  text "1:1" at 14915,-4665 h75
  text "1:1" at 14915,-4665 h75
  text "SHEET" at 16515,-4665 h75
  text "SHEET" at 16515,-4665 h75
  text "1 OF 1" at 17115,-4665 h75
  text "1 OF 1" at 17115,-4665 h75
LAY10:
  text "10" at 2635,-1790 h75
  text "10" at 2635,-1790 h75
  text "LAYER 10(INTERNAL SIGNAL)" at 2185,-1940 h60
  text "LAYER 10(INTERNAL SIGNAL)" at 2185,-1940 h60
LAY7:
  text "7" at 2685,-1790 h75
  text "7" at 2685,-1790 h75
  text "LAYER 7 (INTERNAL SIGNAL)" at 2185,-1940 h60
  text "LAYER 7 (INTERNAL SIGNAL)" at 2185,-1940 h60
LAY13:
  text "13" at 2635,-1790 h75
  text "13" at 2635,-1790 h75
  text "LAYER 13(GND PLANE)" at 2185,-1940 h60
  text "LAYER 13(GND PLANE)" at 2185,-1940 h60
LAY11:
  text "11" at 2635,-1790 h75
  text "11" at 2635,-1790 h75
  text "LAYER 11(GND PLANE)" at 2185,-1940 h60
  text "LAYER 11(GND PLANE)" at 2185,-1940 h60
LAY6:
  text "6" at 2685,-1790 h75
  text "6" at 2685,-1790 h75
  text "LAYER 6 (GND PLANE)" at 2185,-1940 h60
  text "LAYER 6 (GND PLANE)" at 2185,-1940 h60
LAY12:
  text "12" at 2635,-1790 h75
  text "12" at 2635,-1790 h75
  text "LAYER 12(INTERNAL SIGNAL)" at 2185,-1940 h60
  text "LAYER 12(INTERNAL SIGNAL)" at 2185,-1940 h60
LAY8:
  text "8" at 2685,-1790 h75
  text "8" at 2685,-1790 h75
  text "LAYER 8 (GND PLANE)" at 2185,-1940 h60
  text "LAYER 8 (GND PLANE)" at 2185,-1940 h60
LAY17:
  text "17" at 2635,-1790 h75
  text "17" at 2635,-1790 h75
  text "LAYER 17(GND PLANE)" at 2185,-1940 h60
  text "LAYER 17(GND PLANE)" at 2185,-1940 h60
LAY15:
  text "15" at 2635,-1790 h75
  text "15" at 2635,-1790 h75
  text "LAYER 15(GND PLANE)" at 2185,-1940 h60
  text "LAYER 15(GND PLANE)" at 2185,-1940 h60
LAY9:
  text "9" at 2685,-1790 h75
  text "9" at 2685,-1790 h75
  text "LAYER 9 (INTERNAL SIGNAL)" at 2185,-1940 h60
  text "LAYER 9 (INTERNAL SIGNAL)" at 2185,-1940 h60
DXF_0731:
  drawing of 196 lines, arcs and shapes, not listed
  text "Sofer Lib Information" at 641.31,2384.09 h25
  text "Ref PN: FRD154BP2902-CTP" at 671.31,2334.09 h25
  text "Creat : Ziv" at 671.31,2294.09 h25
  text "Date  : 2016-05-28" at 671.31,2254.09 h25
  text "Rev   : A1" at 671.31,2214.09 h25
  text "Remark: D031-023A1" at 671.31,2174.09 h25
  text "42.66" at 838.1,2062 h16
  text "31.52" at 838.1,2032 h16
  text "28.32" at 838.1,1997 h16
  text "10.71" at -251.9,1722 h16
  text "11.31" at 88.1,1627 h16
  text "33.72" at 123.1,1362 h16
  text "28.32" at 313.1,1352 h16
  text "NO" at 815.1,1285 h35
  text "U888" at 789.1,1245 h40
  text "15" at 1746.1,1060.98 h16
  text "9" at 2052.1,825.98 h16
  text "1" at 77.1,492 h16
  text "LCD_FRD154BP2902-CTP" at 623.1,445 h30
  text "Value" at 788.1,445 h30
  text "/XX" at 2635,-1790 h75
  text "14" at 2635,-1790 h75
  text "16" at 2635,-1790 h75
  text "/XX" at 2635,-1790 h75
  text "14" at 2635,-1790 h75
  text "16" at 2635,-1790 h75
  text "LAYER 14(INTERNAL SIGNAL)" at 2185,-1940 h60
  text "LAYER 16(INTERNAL SIGNAL)" at 2185,-1940 h60
  text "ASSEMBLY (PRIMARY)" at 2185,-1940 h60
  text "MUTI-PACK DRAWING" at 2185,-1940 h60
  text "LAYER 14(INTERNAL SIGNAL)" at 2185,-1940 h60
  text "LAYER 16(INTERNAL SIGNAL)" at 2185,-1940 h60
  text "ASSEMBLY (PRIMARY)" at 2185,-1940 h60
  text "MUTI-PACK DRAWING" at 2185,-1940 h60
  text "ASSEMBLY (SECONDARY)" at 3436,-1944 h60
  text "ASSEMBLY (SECONDARY)" at 3436,-1944 h60

## Text inside footprints (layer, text, board x,y; h text height)
B1: DXF_0731 "4" at 1284.53,387.5 h16 r180; DXF_0731 "1" at 1638.87,387.5 h16 r180; DXF_0731 "3" at 1284.53,212.5 h16 r180; DXF_0731 "2" at 1638.87,212.5 h16 r180
B2: DXF_0731 "6" at 648.91,433.83 h23.62 r315; DXF_0731 "2" at 515.28,222.25 h23.62 r315; DXF_0731 "4" at 726.86,355.88 h23.62 r315; DXF_0731 "1" at 476.3,261.22 h23.62 r315; DXF_0731 "3" at 554.25,183.27 h23.62 r315; DXF_0731 "5" at 687.88,394.85 h23.62 r315; DXF_0731 "7" at 501.36,408.77 h23.62 r315; DXF_0731 "8" at 704.58,205.55 h23.62 r315
C1: DXF_0731 "1" at 581.7,2530 h16; DXF_0731 "2" at 641.7,2530 h16; DXF_0731 "C0603" at 558.1,2465 h30; DXF_0731 "Approved" at 506.1,2530 h35; DXF_0731 "Sofer Lib Information" at 492.1,2807 h25; DXF_0731 "Ref PN: ***" at 522.1,2757 h25; DXF_0731 "Creat : Sofer Tech" at 522.1,2717 h25; DXF_0731 "Date  : 2007-05-10" at 522.1,2677 h25; DXF_0731 "Rev   : B1" at 522.1,2637 h25; DXF_0731 "Remark: ***" at 522.1,2597 h25
C2: DXF_0731 "Remark: ***" at 1485.1,2586 h25 r270; DXF_0731 "Rev   : B1" at 1525.1,2586 h25 r270; DXF_0731 "Date  : 2007-05-10" at 1565.1,2586 h25 r270; DXF_0731 "Creat : Sofer Tech" at 1605.1,2586 h25 r270; DXF_0731 "Ref PN: ***" at 1645.1,2586 h25 r270; DXF_0731 "Sofer Lib Information" at 1695.1,2616 h25 r270; DXF_0731 "Approved" at 1418.1,2602 h35 r270; DXF_0731 "C0603" at 1353.1,2550 h30 r270; DXF_0731 "2" at 1418.1,2466.4 h16 r270; DXF_0731 "1" at 1418.1,2526.4 h16 r270
C3: DXF_0731 "Remark: ***" at 3086.1,2099 h25 r90; DXF_0731 "Rev   : B1" at 3046.1,2099 h25 r90; DXF_0731 "Date  : 2007-05-10" at 3006.1,2099 h25 r90; DXF_0731 "Creat : Sofer Tech" at 2966.1,2099 h25 r90; DXF_0731 "Ref PN: ***" at 2926.1,2099 h25 r90; DXF_0731 "Sofer Lib Information" at 2876.1,2069 h25 r90; DXF_0731 "Approved" at 3153.1,2083 h35 r90; DXF_0731 "CC0603KRX7R7BB104" at 3163.1,2059 h20 r90; DXF_0731 "C0603" at 3218.1,2135 h30 r90; DXF_0731 "2" at 3153.1,2218.6 h16 r90; DXF_0731 "1" at 3153.1,2158.6 h16 r90
C4: DXF_0731 "Remark: ***" at 3391.1,2034 h25 r90; DXF_0731 "Rev   : B1" at 3351.1,2034 h25 r90; DXF_0731 "Date  : 2007-05-10" at 3311.1,2034 h25 r90; DXF_0731 "Creat : Sofer Tech" at 3271.1,2034 h25 r90; DXF_0731 "Ref PN: ***" at 3231.1,2034 h25 r90; DXF_0731 "Sofer Lib Information" at 3181.1,2004 h25 r90; DXF_0731 "Approved" at 3458.1,2018 h35 r90; DXF_0731 "C0603" at 3523.1,2070 h30 r90; DXF_0731 "2" at 3458.1,2153.6 h16 r90; DXF_0731 "1" at 3458.1,2093.6 h16 r90
C5: DXF_0731 "1" at 886.4,2045 h16 r180; DXF_0731 "2" at 826.4,2045 h16 r180; DXF_0731 "C0603" at 910,2110 h30 r180; DXF_0731 "Approved" at 962,2045 h35 r180; DXF_0731 "Sofer Lib Information" at 976,1768 h25 r180; DXF_0731 "Ref PN: ***" at 946,1818 h25 r180; DXF_0731 "Creat : Sofer Tech" at 946,1858 h25 r180; DXF_0731 "Date  : 2007-05-10" at 946,1898 h25 r180; DXF_0731 "Rev   : B1" at 946,1938 h25 r180; DXF_0731 "Remark: ***" at 946,1978 h25 r180
C6: DXF_0731 "2" at 2593.6,1985 h16 r180; DXF_0731 "1" at 2483.6,1985 h16 r180
C7: DXF_0731 "Remark: ***" at 2631,1768 h25 r180; DXF_0731 "Rev   : B1" at 2631,1728 h25 r180; DXF_0731 "Date  : 2007-05-10" at 2631,1688 h25 r180; DXF_0731 "Creat : Sofer Tech" at 2631,1648 h25 r180; DXF_0731 "Ref PN: ***" at 2631,1608 h25 r180; DXF_0731 "Sofer Lib Information" at 2661,1558 h25 r180; DXF_0731 "Approved" at 2647,1835 h35 r180; DXF_0731 "C0603" at 2595,1900 h30 r180; DXF_0731 "2" at 2511.4,1835 h16 r180; DXF_0731 "1" at 2571.4,1835 h16 r180
C8: DXF_0731 "2" at 2483.6,1750 h16; DXF_0731 "1" at 2593.6,1750 h16
C9: DXF_0731 "1" at 2927.1,1718.4 h16 r270; DXF_0731 "2" at 2927.1,1658.4 h16 r270; DXF_0731 "C0603" at 2862.1,1742 h30 r270; DXF_0731 "CC0603KRX7R7BB104" at 2917.1,1818 h20 r270; DXF_0731 "Approved" at 2927.1,1794 h35 r270; DXF_0731 "Sofer Lib Information" at 3204.1,1808 h25 r270; DXF_0731 "Ref PN: ***" at 3154.1,1778 h25 r270; DXF_0731 "Creat : Sofer Tech" at 3114.1,1778 h25 r270; DXF_0731 "Date  : 2007-05-10" at 3074.1,1778 h25 r270; DXF_0731 "Rev   : B1" at 3034.1,1778 h25 r270; DXF_0731 "Remark: ***" at 2994.1,1778 h25 r270
C10: DXF_0731 "Remark: ***" at 2733,1584 h25 r90; DXF_0731 "Rev   : B1" at 2693,1584 h25 r90; DXF_0731 "Date  : 2007-05-10" at 2653,1584 h25 r90; DXF_0731 "Creat : Sofer Tech" at 2613,1584 h25 r90; DXF_0731 "Ref PN: ***" at 2573,1584 h25 r90; DXF_0731 "Sofer Lib Information" at 2523,1554 h25 r90; DXF_0731 "Approved" at 2800,1568 h35 r90; DXF_0731 "C0603" at 2865,1620 h30 r90; DXF_0731 "2" at 2800,1703.6 h16 r90; DXF_0731 "1" at 2800,1643.6 h16 r90
C11: DXF_0731 "Remark: ***" at 2920.1,1776 h25 r270; DXF_0731 "Rev   : B1" at 2960.1,1776 h25 r270; DXF_0731 "Date  : 2007-05-10" at 3000.1,1776 h25 r270; DXF_0731 "Creat : Sofer Tech" at 3040.1,1776 h25 r270; DXF_0731 "Ref PN: ***" at 3080.1,1776 h25 r270; DXF_0731 "Sofer Lib Information" at 3130.1,1806 h25 r270; DXF_0731 "Approved" at 2853.1,1792 h35 r270; DXF_0731 "CC0603KRX7R7BB104" at 2843.1,1816 h20 r270; DXF_0731 "C0603" at 2788.1,1740 h30 r270; DXF_0731 "2" at 2853.1,1656.4 h16 r270; DXF_0731 "1" at 2853.1,1716.4 h16 r270
C12: DXF_0731 "Remark: ***" at 2926.1,1584 h25 r90; DXF_0731 "Rev   : B1" at 2886.1,1584 h25 r90; DXF_0731 "Date  : 2007-05-10" at 2846.1,1584 h25 r90; DXF_0731 "Creat : Sofer Tech" at 2806.1,1584 h25 r90; DXF_0731 "Ref PN: ***" at 2766.1,1584 h25 r90; DXF_0731 "Sofer Lib Information" at 2716.1,1554 h25 r90; DXF_0731 "Approved" at 2993.1,1568 h35 r90; DXF_0731 "C0603" at 3058.1,1620 h30 r90; DXF_0731 "2" at 2993.1,1703.6 h16 r90; DXF_0731 "1" at 2993.1,1643.6 h16 r90
C13: DXF_0731 "2" at 2483.6,1660 h16; DXF_0731 "1" at 2593.6,1660 h16
C14: DXF_0731 "Remark: ***" at 2631,1508 h25 r180; DXF_0731 "Rev   : B1" at 2631,1468 h25 r180; DXF_0731 "Date  : 2007-05-10" at 2631,1428 h25 r180; DXF_0731 "Creat : Sofer Tech" at 2631,1388 h25 r180; DXF_0731 "Ref PN: ***" at 2631,1348 h25 r180; DXF_0731 "Sofer Lib Information" at 2661,1298 h25 r180; DXF_0731 "Approved" at 2647,1575 h35 r180; DXF_0731 "C0603" at 2595,1640 h30 r180; DXF_0731 "2" at 2511.4,1575 h16 r180; DXF_0731 "1" at 2571.4,1575 h16 r180
C15: DXF_0731 "1" at 2318.6,1565 h16; DXF_0731 "2" at 2378.6,1565 h16; DXF_0731 "C0603" at 2295,1500 h30; DXF_0731 "Approved" at 2243,1565 h35; DXF_0731 "Sofer Lib Information" at 2229,1842 h25; DXF_0731 "Ref PN: ***" at 2259,1792 h25; DXF_0731 "Creat : Sofer Tech" at 2259,1752 h25; DXF_0731 "Date  : 2007-05-10" at 2259,1712 h25; DXF_0731 "Rev   : B1" at 2259,1672 h25; DXF_0731 "Remark: ***" at 2259,1632 h25
C16: DXF_0731 "Remark: ***" at 2004.1,1488 h25 r180; DXF_0731 "Rev   : B1" at 2004.1,1448 h25 r180; DXF_0731 "Date  : 2007-05-10" at 2004.1,1408 h25 r180; DXF_0731 "Creat : Sofer Tech" at 2004.1,1368 h25 r180; DXF_0731 "Ref PN: ***" at 2004.1,1328 h25 r180; DXF_0731 "Sofer Lib Information" at 2034.1,1278 h25 r180; DXF_0731 "Approved" at 2020.1,1555 h35 r180; DXF_0731 "C0603" at 1968.1,1620 h30 r180; DXF_0731 "2" at 1884.5,1555 h16 r180; DXF_0731 "1" at 1944.5,1555 h16 r180
C17: DXF_0731 "Remark: ***" at 3039,1582 h25; DXF_0731 "Rev   : B1" at 3039,1622 h25; DXF_0731 "Date  : 2007-05-10" at 3039,1662 h25; DXF_0731 "Creat : Sofer Tech" at 3039,1702 h25; DXF_0731 "Ref PN: ***" at 3039,1742 h25; DXF_0731 "Sofer Lib Information" at 3009,1792 h25; DXF_0731 "Approved" at 3023,1515 h35; DXF_0731 "C0603" at 3075,1450 h30; DXF_0731 "2" at 3158.6,1515 h16; DXF_0731 "1" at 3098.6,1515 h16
C18: DXF_0731 "Remark: ***" at 2729.1,1438 h25 r180; DXF_0731 "Rev   : B1" at 2729.1,1398 h25 r180; DXF_0731 "Date  : 2007-05-10" at 2729.1,1358 h25 r180; DXF_0731 "Creat : Sofer Tech" at 2729.1,1318 h25 r180; DXF_0731 "Ref PN: ***" at 2729.1,1278 h25 r180; DXF_0731 "Sofer Lib Information" at 2759.1,1228 h25 r180; DXF_0731 "Approved" at 2745.1,1505 h35 r180; DXF_0731 "C0603" at 2693.1,1570 h30 r180; DXF_0731 "2" at 2609.5,1505 h16 r180; DXF_0731 "1" at 2669.5,1505 h16 r180
C19: DXF_0731 "Remark: ***" at 3692,1549.1 h25 r270; DXF_0731 "Rev   : B1" at 3732,1549.1 h25 r270; DXF_0731 "Date  : 2007-05-10" at 3772,1549.1 h25 r270; DXF_0731 "Creat : Sofer Tech" at 3812,1549.1 h25 r270; DXF_0731 "Ref PN: ***" at 3852,1549.1 h25 r270; DXF_0731 "Sofer Lib Information" at 3902,1579.1 h25 r270; DXF_0731 "Approved" at 3625,1565.1 h35 r270; DXF_0731 "CC0603KRX7R7BB104" at 3615,1589.1 h20 r270; DXF_0731 "C0603" at 3560,1513.1 h30 r270; DXF_0731 "2" at 3625,1429.5 h16 r270; DXF_0731 "1" at 3625,1489.5 h16 r270
C20: DXF_0731 "1" at 3887.7,1435 h16; DXF_0731 "2" at 3947.7,1435 h16; DXF_0731 "C0603" at 3864.1,1370 h30; DXF_0731 "CC0603KRX7R7BB104" at 3788.1,1425 h20; DXF_0731 "Approved" at 3812.1,1435 h35; DXF_0731 "Sofer Lib Information" at 3798.1,1712 h25; DXF_0731 "Ref PN: ***" at 3828.1,1662 h25; DXF_0731 "Creat : Sofer Tech" at 3828.1,1622 h25; DXF_0731 "Date  : 2007-05-10" at 3828.1,1582 h25; DXF_0731 "Rev   : B1" at 3828.1,1542 h25; DXF_0731 "Remark: ***" at 3828.1,1502 h25
C21: DXF_0731 "1" at 2669.5,1425 h16 r180; DXF_0731 "2" at 2609.5,1425 h16 r180; DXF_0731 "C0603" at 2693.1,1490 h30 r180; DXF_0731 "Approved" at 2745.1,1425 h35 r180; DXF_0731 "Sofer Lib Information" at 2759.1,1148 h25 r180; DXF_0731 "Ref PN: ***" at 2729.1,1198 h25 r180; DXF_0731 "Creat : Sofer Tech" at 2729.1,1238 h25 r180; DXF_0731 "Date  : 2007-05-10" at 2729.1,1278 h25 r180; DXF_0731 "Rev   : B1" at 2729.1,1318 h25 r180; DXF_0731 "Remark: ***" at 2729.1,1358 h25 r180
C22: DXF_0731 "1" at 3098.6,1410 h16; DXF_0731 "2" at 3158.6,1410 h16; DXF_0731 "C0603" at 3075,1345 h30; DXF_0731 "Approved" at 3023,1410 h35; DXF_0731 "Sofer Lib Information" at 3009,1687 h25; DXF_0731 "Ref PN: ***" at 3039,1637 h25; DXF_0731 "Creat : Sofer Tech" at 3039,1597 h25; DXF_0731 "Date  : 2007-05-10" at 3039,1557 h25; DXF_0731 "Rev   : B1" at 3039,1517 h25; DXF_0731 "Remark: ***" at 3039,1477 h25
C23: DXF_0731 "1" at 3888.6,1375 h16; DXF_0731 "2" at 3948.6,1375 h16; DXF_0731 "C0603" at 3865,1310 h30; DXF_0731 "CC0603KRX7R7BB104" at 3789,1365 h20; DXF_0731 "Approved" at 3813,1375 h35; DXF_0731 "Sofer Lib Information" at 3799,1652 h25; DXF_0731 "Ref PN: ***" at 3829,1602 h25; DXF_0731 "Creat : Sofer Tech" at 3829,1562 h25; DXF_0731 "Date  : 2007-05-10" at 3829,1522 h25; DXF_0731 "Rev   : B1" at 3829,1482 h25; DXF_0731 "Remark: ***" at 3829,1442 h25
C24: DXF_0731 "Remark: ***" at 4021,1253 h25 r180; DXF_0731 "Rev   : B1" at 4021,1213 h25 r180; DXF_0731 "Date  : 2007-05-10" at 4021,1173 h25 r180; DXF_0731 "Creat : Sofer Tech" at 4021,1133 h25 r180; DXF_0731 "Ref PN: ***" at 4021,1093 h25 r180; DXF_0731 "Sofer Lib Information" at 4051,1043 h25 r180; DXF_0731 "Approved" at 4037,1320 h35 r180; DXF_0731 "C0603" at 3985,1385 h30 r180; DXF_0731 "2" at 3901.4,1320 h16 r180; DXF_0731 "1" at 3961.4,1320 h16 r180
C25: DXF_0731 "1" at 2671.4,1275 h16 r180; DXF_0731 "2" at 2611.4,1275 h16 r180; DXF_0731 "C0603" at 2695,1340 h30 r180; DXF_0731 "Approved" at 2747,1275 h35 r180; DXF_0731 "Sofer Lib Information" at 2761,998 h25 r180; DXF_0731 "Ref PN: ***" at 2731,1048 h25 r180; DXF_0731 "Creat : Sofer Tech" at 2731,1088 h25 r180; DXF_0731 "Date  : 2007-05-10" at 2731,1128 h25 r180; DXF_0731 "Rev   : B1" at 2731,1168 h25 r180; DXF_0731 "Remark: ***" at 2731,1208 h25 r180
C26: DXF_0731 "1" at 2833.1,1226.4 h16 r270; DXF_0731 "2" at 2833.1,1166.4 h16 r270; DXF_0731 "C0603" at 2768.1,1250 h30 r270; DXF_0731 "Approved" at 2833.1,1302 h35 r270; DXF_0731 "Sofer Lib Information" at 3110.1,1316 h25 r270; DXF_0731 "Ref PN: ***" at 3060.1,1286 h25 r270; DXF_0731 "Creat : Sofer Tech" at 3020.1,1286 h25 r270; DXF_0731 "Date  : 2007-05-10" at 2980.1,1286 h25 r270; DXF_0731 "Rev   : B1" at 2940.1,1286 h25 r270; DXF_0731 "Remark: ***" at 2900.1,1286 h25 r270